# Altium PCB AIR_MOUNT23.PcbDoc (part 2 of 4) (continued)
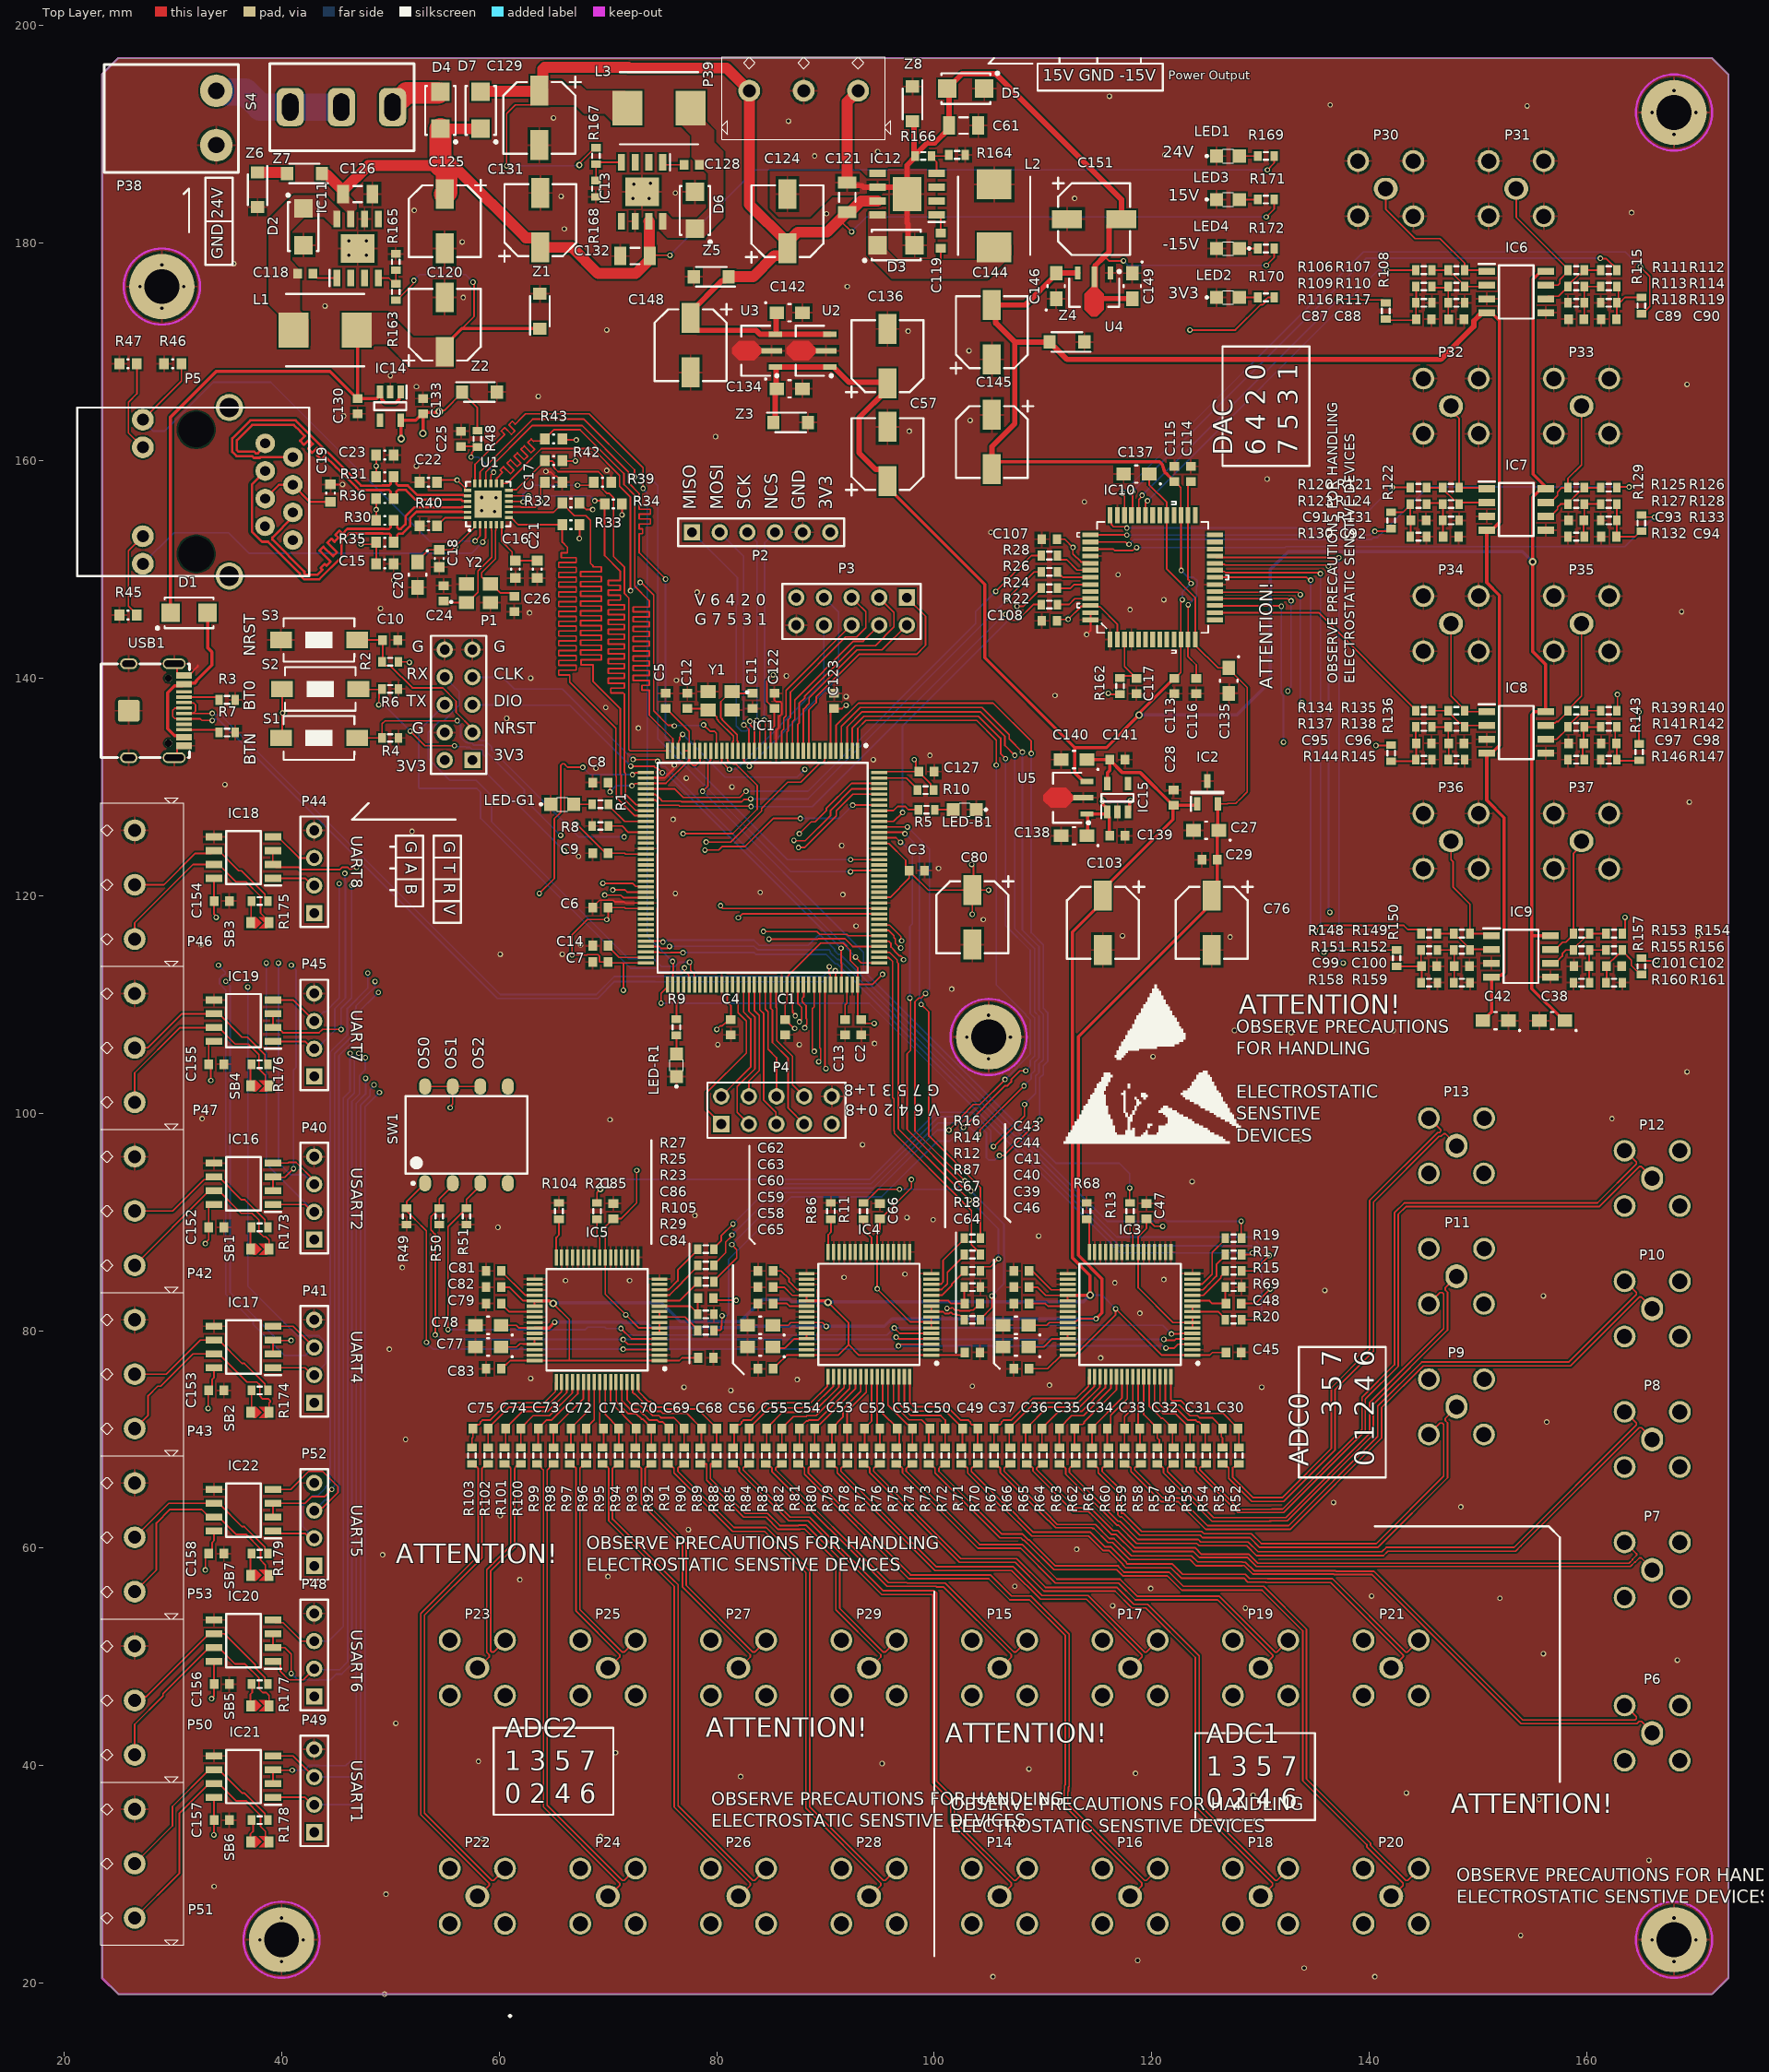
[diagram p0: Top Layer view]
## Nets (pads, with @x,y where several pads share a name; then routed paths per layer and width w, separated by ;. In a path a pad name is that pad's centre, name@x,y a point inside that pad or via, vN(x,y) a via of type N, cw(c..) or ccw(c..) an arc to the next point about the centre after c; other vN are vias at no path point) (continued)
  Bottom Layer w0.15: v1(81.5,89.8) 85.2,93.5 94.2,93.5 100.368,99.669 103.087,99.669 103.658,99.097 103.658,99.067 104.025,98.7 104.3,98.7 104.786,98.214 104.786,95.914 105,95.7 105.587,95.7 v1(105.987,96.1) ; v1(108.913,133.075) 108.913,116.584 110.025,115.472 110.025,109.647 110.425,109.247 110.425,104.753 110.025,104.353 110.025,103.568 109.7,103.243 v1(109.7,99.4)
ADC2_CVST_2: IC1.2 R29.1 | length 91.6
  Top Layer w0.15: R29.1@79.75,80 79.795,80.045 80.334,80.045 80.421,80.133 80.421,80.356 80.377,80.4 80.452,80.475 80.452,80.825 80.487,80.86 80.487,81.362 v1(80.5,81.375) ; IC1.2@92.465,133.307 92.465,135.431 93.534,136.5 104.066,136.5 106.1,134.466 106.1,133.045 v1(106.557,132.589) ; v1(102.683,98.693) 106.514,102.525 106.738,102.525 107.075,102.862 107.075,103.086 107.883,103.893 v1(108.406,103.893)
  Bottom Layer w0.15: v1(80.5,81.375) 80.513,81.388 80.975,81.388 81.1,81.513 81.1,86.555 86.845,92.3 95.166,92.3 100.283,97.417 101.406,97.417 v1(102.683,98.693) ; v1(106.557,132.589) 106.557,117.243 108.825,114.975 108.825,109.15 109.225,108.75 109.225,105.25 108.825,104.85 108.825,104.313 v1(108.406,103.893)
ADC_OS0_7: IC3.3 IC4.3 IC5.3 R49.1 SW1.1 | length 93.6
  Top Layer w0.15: SW1.1@53.19,93.55 51.5,91.86 R49.1@51.5,91.25 51.45,91.25 51.4,91.3 51.4,91.1 52.075,90.425 52.085,90.425 52.275,90.235 52.275,90.225 53.315,89.185 v1(53.315,78.92) ; v1(71.4,78.3) 71.425,78.275 74.35,78.275 74.4,78.225 74.713,78.225 IC5.3@74.738,78.25 ; 96.945,78.75 IC4.3@99.738,78.75 ; v1(121.3,78.4) 122.06,78.4 122.41,78.75 IC3.3@123.738,78.75
  Bottom Layer w0.15: v1(53.315,78.92) 53.935,78.3 v1(71.4,78.3) 96.4,78.3 v1(96.7,78.6) 96.7,78.566 96.712,78.553 96.759,78.6 121.005,78.6 121.205,78.4 v1(121.3,78.4)
ADC_OS1_7: IC3.4 IC4.4 IC5.4 R50.1 SW1.2 | length 91.9
  Top Layer w0.15: v1(54.131,79.619) 54.131,88.86 53.725,89.265 53.725,90.235 53.765,90.274 53.765,90.515 R50.1@54.5,91.25 54.5,92.12 55.73,93.35 SW1.2@55.73,93.55 ; v1(71.393,79.193) 71.837,78.75 IC5.4@74.738,78.75 ; v1(96.5,79.4) 96.595,79.4 96.745,79.25 IC4.4@99.738,79.25 IC4.4@99.75,79.25 ; v1(121.1,79.2) 121.195,79.2 121.27,79.125 122.11,79.125 122.235,79.25 IC3.4@123.738,79.25 ; IC4.4@99.75,79.25 99.775,79.25 99.8,79.225 99.775,79.225 IC4.4@99.75,79.25
  Bottom Layer w0.15: v1(54.131,79.619) 54.226,79.619 54.651,79.193 96.199,79.193 96.405,79.4 96.595,79.4 96.795,79.2 v1(121.1,79.2)
ADC_OS2_7: IC3.5 IC4.5 IC5.5 R51.1 SW1.3 | length 91.8
  Top Layer w0.15: v1(55.3,80.1) 55.3,89.55 R51.1@57,91.25 57,92.08 58.27,93.35 SW1.3@58.27,93.55 ; v1(71.2,80.2) 72.15,79.25 IC5.5@74.738,79.25 ; v1(96.325,80.25) 96.825,79.75 IC4.5@99.738,79.75 ; v1(121.8,79.7) 122.506,79.7 122.556,79.75 IC3.5@123.738,79.75
  Bottom Layer w0.15: v1(55.3,80.1) 67.921,80.1 68.146,80.325 69.728,80.325 69.853,80.2 v1(71.2,80.2) 71.8,79.6 95.675,79.6 v1(96.325,80.25) 108.595,80.25 108.835,80.49 121.01,80.49 v1(121.8,79.7)
BOOT0_2: IC1.138 R6.2 S2.1 | length 58
  Top Layer w0.15: S2.1@47.056,139 47.15,139 47.2,138.95 49.2,138.95 48.975,138.725 48.975,138.185 48.938,138.148 v1(48.938,137.546) ; v1(51.84,135.126) 53.191,133.775 v1(55.9,133.775) ; v1(78.919,124.192) 80.192,124.192 80.526,124.526 82.626,124.526 85.193,127.093 v1(87.686,127.093) ; v1(92.5,128.319) IC1.138@94.953,128.319
  Layer 2 w0.15: v1(66,124.1) 66.046,124.146 78.873,124.146 v1(78.919,124.192)
  Bottom Layer w0.15: v1(48.938,137.546) 49.42,137.546 v1(51.84,135.126) ; v1(55.9,133.775) 55.977,133.698 56.898,133.698 56.91,133.685 56.97,133.625 57.2,133.625 57.302,133.625 57.325,133.625 57.515,133.435 58.383,133.435 58.515,133.303 58.515,132.975 58.9,132.59 58.9,131.2 v1(66,124.1) ; v1(87.686,127.093) 91.274,127.093 v1(92.5,128.319)
BOOT1_2: IC1.48 R8.2 | length 3.7
  Top Layer w0.15: R8.2@70.05,126.4 71.313,126.4 71.894,125.819 IC1.48@73.477,125.819
BUSY_5: IC3.14 R19.2 | length 6
  Top Layer w0.15: IC3.14@123.738,84.25 123.763,84.275 124.61,84.275 125.543,85.207 125.543,87.193 126.75,88.4 R19.2@126.75,88.5
BUSY_6: IC4.14 R16.2 | length 6
  Top Layer w0.15: IC4.14@99.738,84.25 99.763,84.275 100.61,84.275 100.808,84.473 100.808,86.458 102.75,88.4 R16.2@102.75,88.5
BUSY_7: IC5.14 R27.2 | length 5.7
  Top Layer w0.15: IC5.14@74.738,83.75 74.763,83.775 75.61,83.775 76.425,84.59 76.425,85.575 78.25,87.4 R27.2@78.25,87.5
CONVST_5: IC3.9 IC3.10 R20.2 | length 3.9
  Top Layer w0.15: IC3.10@123.738,82.25 IC3.9@123.738,81.75 126.1,81.75 126.75,81.1 R20.2@126.75,81
CONVST_6: IC4.9 IC4.10 R18.2 | length 3.9
  Top Layer w0.15: IC4.10@99.738,82.25 IC4.9@99.738,81.75 100.805,81.75 100.977,81.578 101.371,81.578 101.446,81.653 101.582,81.653 101.734,81.5 102.066,81.5 102.141,81.425 102.325,81.425 102.375,81.375 102.475,81.375 102.75,81.1 R18.2@102.75,81
CONVST_7: IC5.9 IC5.10 R29.2 | length 4.6
  Top Layer w0.15: IC5.10@74.738,81.75 IC5.9@74.738,81.25 77.1,81.25 78.25,80.1 R29.2@78.25,80
EXT_IO0_2: IC1.10 P3.1 | length 22.4
  Top Layer w0.15: IC1.10@88.465,133.307 88.483,133.307 88.465,133.325 88.465,137.065 89.145,137.745 89.145,138.255 93.075,142.185 98.368,142.185 99.2,143.017 99.2,145.68 P3.1@97.48,147.4
EXT_IO1_2: IC1.11 P3.2 | length 16.8
  Top Layer w0.15: IC1.11@87.965,133.307 87.965,135.55 87.975,135.56 87.975,137.141 88.5,137.666 88.5,138.175 92.91,142.585 95.205,142.585 P3.2@97.48,144.86
EXT_IO2_2: IC1.12 P3.3 | length 19.4
  Top Layer w0.15: IC1.12@87.465,133.307 87.465,135.767 87.575,135.877 87.575,137.675 88.1,138.2 88.1,138.341 92.744,142.985 94.585,142.985 96.3,144.7 96.3,146.04 P3.3@94.94,147.4
EXT_IO3_2: IC1.13 P3.4 | length 15.4
  Top Layer w0.15: IC1.13@86.965,133.307 86.965,136 87.175,136.21 87.175,137.982 92.578,143.385 93.465,143.385 P3.4@94.94,144.86
EXT_IO4_2: IC1.14 P3.5 | length 18.4
  Top Layer w0.15: IC1.14@86.465,133.307 86.465,135.045 86.565,135.145 86.565,136.165 86.775,136.375 86.775,138.709 91.851,143.785 92.845,143.785 93.7,144.64 93.7,146.1 92.841,146.959 92.659,146.959 92.6,146.9 92.4,147.1 P3.5@92.4,147.4
EXT_IO5_2: IC1.15 P3.6 | length 14.2
  Top Layer w0.15: IC1.15@85.965,133.307 85.965,135.111 86.165,135.311 86.165,136.331 86.375,136.541 86.375,138.875 92.36,144.86 P3.6@92.4,144.86
EXT_IO6_2: IC1.22 P3.7 | length 21.1
  Top Layer w0.15: IC1.22@82.465,133.307 82.49,133.282 82.49,132.41 v1(83,131.9)
  Bottom Layer w0.15: v1(83,131.9) 83.1,131.9 83.1,132 91.2,140.1 91.2,146.06 P3.7@89.86,147.4
EXT_IO7_2: IC1.26 P3.8 | length 19.2
  Top Layer w0.15: IC1.26@80.465,133.307 80.465,132.33 v1(81.177,131.618)
  Bottom Layer w0.15: v1(81.177,131.618) 81.818,131.618 89.86,139.66 P3.8@89.86,144.86
EXT_IO8_2: IC1.86 P4.1 | length 15.2
  Top Layer w0.15: P4.1@80.42,99 79.1,100.32 79.1,101.9 82.725,105.525 82.725,108.485 81.965,109.245 IC1.86@81.965,111.831
EXT_IO9_2: IC1.87 P4.2 | length 11.7
  Top Layer w0.15: P4.2@80.42,101.54 83.125,104.245 83.125,108.65 82.475,109.3 82.475,111.821 IC1.87@82.465,111.831
EXT_IO10_2: IC1.88 P4.3 | length 14.2
  Top Layer w0.15: P4.3@82.96,99 81.885,100.075 81.885,102.439 83.525,104.079 83.525,108.816 82.965,109.376 IC1.88@82.965,111.831
EXT_IO11_2: IC1.89 P4.4 | length 10.9
  Top Layer w0.15: P4.4@82.96,101.54 82.96,102.949 83.925,103.914 83.925,108.982 83.465,109.442 IC1.89@83.465,111.831
EXT_IO12_2: IC1.90 P4.5 | length 13.5
  Top Layer w0.15: IC1.90@83.965,111.831 83.965,109.507 84.325,109.147 84.325,101.195 85.445,100.075 85.445,99.055 P4.5@85.5,99
EXT_IO13_2: IC1.91 P4.6 | length 10.7
  Top Layer w0.15: IC1.91@84.465,111.831 84.465,109.573 84.725,109.313 84.725,105.878 85.5,105.103 P4.6@85.5,101.54
EXT_IO14_2: IC1.92 P4.7 | length 14.1
  Top Layer w0.15: IC1.92@84.965,111.831 84.965,109.639 85.125,109.479 85.125,106.5 86.575,105.05 86.575,100.465 P4.7@88.04,99
EXT_IO15_2: IC1.93 P4.8 | length 11.4
  Top Layer w0.15: IC1.93@85.465,111.831 85.465,109.705 85.525,109.644 85.525,106.665 85.99,106.2 86,106.2 86.975,105.225 86.975,102.605 P4.8@88.04,101.54
GND: C1.1 C2.1 C3.1 C4.1 C5.1 C6.1 C7.1 C8.1 C9.1 C10.1 C11.2 C12.1 C13.1 C14.1 C15.1 C16.1 C17.1 C18.1 C19.1 C20.2 C21.2 C22.1 C23.1 C24.2 C25.1 C26.1 C27.2 C28.1 C29.1 C38.2 C39.2 C40.2 C41.1 C42.1 C43.1 C44.1 C45.1 C46.1 C47.1 C57.2 C58.2 C59.2 C60.1 C61.2 C62.1 C63.1 C64.1 C65.1 C66.1 C76.2 C77.2 C78.2 C79.1 C80.2 C81.1 C82.1 C83.1 C84.1 C85.1 C87.1 C88.1 C89.1 C90.1 C91.1 C92.1 C93.1 C94.1 C95.1 C96.1 C97.1 C98.1 C99.1 C100.1 C101.1 C102.1 C103.2 C107.1 C108.1 C113.1 C114.1 C115.2 C116.2 C117.1 C120.2 C122.1 C123.1 C125.2 C126.2 C127.1 C129.2 C130.1 C131.2 C132.2 C133.1 C134.2 C135.2 C136.2 C137.2 C138.2 C139.1 C140.2 C141.1 C142.2 C144.1 C145.1 C146.1 C148.2 C149.1 C151.1 C152.1 C153.1 C154.1 C155.1 C156.1 C157.1 C158.1 D2.1 D5.2 D6.1 IC1.16 IC1.31 IC1.38 IC1.51 IC1.61 IC1.83 IC1.94 IC1.107 IC1.120 IC1.130 IC2.3 IC3.2 IC3.16 IC3.17 IC3.18 IC3.19 IC3.20 IC3.21 IC3.22 IC3.26 IC3.27 IC3.28 IC3.29 IC3.30 IC3.31 IC3.33 IC3.34 IC3.35 IC3.40 IC3.41 IC3.43 IC3.46 IC3.47 IC4.2 IC4.16 IC4.17 IC4.18 IC4.19 IC4.20 IC4.21 IC4.22 IC4.26 IC4.27 IC4.28 IC4.29 IC4.30 IC4.31 IC4.33 IC4.34 IC4.35 IC4.40 IC4.41 IC4.43 IC4.46 IC4.47 IC5.2 IC5.16 IC5.17 IC5.18 IC5.19 IC5.20 IC5.21 IC5.22 IC5.26 IC5.27 IC5.28 IC5.29 IC5.30 IC5.31 IC5.33 IC5.34 IC5.35 IC5.40 IC5.41 IC5.43 IC5.46 IC5.47 IC6.3 IC6.5 IC7.3 IC7.5 IC8.3 IC8.5 IC9.3 IC9.5 IC10.1 IC10.4 IC10.19 IC10.38 IC10.43 IC10.51 IC10.52 IC11.6 IC11.9 IC13.6 IC13.9 IC14.2 IC15.2 IC16.5 IC17.5 IC18.5 IC19.5 IC20.5 IC21.5 IC22.5 L2.2 LED1.2 LED2.2 LED3.2 LED4.1 LED-B1.2 LED-G1.2 LED-R1.2 P1.4 P1.9 P1.10 P2.5 P3.10 P4.10 P30.2 P31.2 P32.2 P33.2 P34.2 P35.2 P36.2 P37.2 P38.1 P39.2 P40.4 P41.4 P42.1 P43.1 P44.4 P45.4 P46.1 P47.1 P48.4 P49.4 P50.1 P51.1 P52.4 P53.1 pad.15 R3.2 R4.2 R6.1 R7.2 R8.1 R39.2 R40.2 R45.2 R46.2 R47.2 R49.2 R50.2 R51.2 R68.1 R69.2 R86.1 R87.2 R104.1 R105.2 R116.1 R117.1 R118.1 R119.1 R130.1 R131.1 R132.1 R133.1 R144.1 R145.1 R146.1 R147.1 R158.1 R159.1 R160.1 R161.1 R164.2 R165.1 R168.1 S3.1 U1.25 U2.2 U3.2 U4.1 U5.2 USB1.13 USB1.14 USB1.15 USB1.16 USB1.A1B12 USB1.B1A12 Y1.2 Y1.4 Y2.2 Y2.4 Z1.2 Z2.2 Z3.2 Z4.1 Z5.2 Z6.2 Z8.1 | length 25.9
  Top Layer w0.15: USB1.14@30.133,132.68 30.398,132.945 30.398,133.555 30.623,133.78 USB1.B1A12@31.048,133.78 ; USB1.13@30.133,141.32 30.398,141.055 30.398,140.45 30.623,140.225 USB1.A1B12@31.048,140.225 31.473,140.225 32.3,141.053 32.3,141.2 ; C19.1@44.5,157.8 v1(45.6,157.8) ; v1(64.3,159) 64.367,158.933 64.762,158.933 65.12,158.575 65.275,158.575 65.8,158.05 C17.1@65.8,158 ; C6.1@68.6,118.9 68.6,118.95 69.225,119.575 70.493,119.575 70.649,119.419 71.5,119.419 71.6,119.319 IC1.61@73.477,119.319 ; IC1.38@73.477,130.819 73.477,130.9 74.297,130.9 74.374,130.822 75.194,130.822 76.033,131.661 76.033,131.933 v1(76.1,132) ; C122.1@85.3,138.6 85.3,137.975 85.441,137.834 85.834,137.834 85.975,137.693 85.975,136.707 85.7,136.432 85.7,135.412 85.465,135.176 IC1.16@85.465,133.307 ; v1(114,144) 114.364,144.364 IC10.52@114.364,145.353 IC10.51@114.364,146.013
  Layer 1 w0.5: 69.8,114.2 69.954,114.046 69.954,113.958
  Bottom Layer w0.15: USB1.13@30.133,141.32 30.38,141.32 USB1.13@30.5,141.2
  Bottom Layer w0.5: 63.6,172.2 63.7,172.2
  other v1: 49.465,19 105.4,20.6 140.5,20.6 134,21.4 40,22 168,22 118.7,22.1 38,24 42,24 166,24 170,24 153.9,24.4 40,26 168,26 49.6,28.2 33.8,28.9 165.7,31.3 58.5,33.3 69.3,33.5 155.6,36.9 129.3,37.3 143.4,37.5 82.2,39 118.5,39.3 108.7,39.7 95.2,40.2 58.1,40.4 70.7,41.2 50.5,43.9 168.3,49.7 156,50.3 128.6,54.5 116.4,54.7 152,55.4 140.2,55.6 119.9,56.3 107.4,56.5 61.9,57.1 70,57.4 49.3,59.4 113.1,59.9 77.4,61.7 60.1,63 148.4,63.8 102,64 136.7,64.2 51.4,70 156.3,71.6 81.3,74.5 77,74.8 130.1,74.8 103.5,74.9 110.6,75 87.4,75.5 62.9,75.6 115.3,77.5 49.9,78.3 118.9,81.6 156,83.2 135.9,83.7 116.6,84.4 66.1,84.6 72,84.6 121.1,84.7 91.7,84.9 97.3,85.2 51.1,85.8 56.7,87.3 109.6,88.7 59.9,89.5 99.9,90.2 97.5,90.4 78,90.6 109.3,91.2 123.7,93.7 93.4,97.1 133.6,97.5 70.2,99.4 32.7,99.5 162.3,99.5 169.2,103.8 105,105 120.1,105.2 80.1,106.3 87.6,106.3 94.5,106.4 103,107 107,107 132.8,107.4 127.6,107.6 142.2,107.6 105,109 101.6,111.4 60.1,114.6 65.8,114.6 32.6,115.5 67.5,115.5 127.2,116.2 117.3,116.3 170.2,116.3 92.8,117.2 104.5,117.8 91.6,120.1 76.2,120.2 84,120.3 100.4,122.5 67.3,123.6 91.5,124.6 52,125.9 76,127 169.4,128.6 81.4,130 34.8,130.2 77.2,130.8 68.9,131.7 94.4,132.5 99.6,132.9 72.8,135.4 60.7,136.3 69.8,137.3 91.9,138.3 111.1,138.4 76.3,139.8 62.9,140 86.4,140.2 62.8,146 168.7,146.1 118,146.3 49.1,146.4 121.1,147.2 78.2,147.9 50.3,149 116.9,149.5 105.2,153.4 59.6,155.3 113.8,156.2 59.7,156.6 130.6,158.3 69.9,159.1 52.4,159.5 79.9,162.2 97.7,162.7 103.3,163.7 45.7,164.1 63.6,165.9 52.4,166.8 169.2,167 50,167.8 103.2,170.1 97.6,171.9 69.9,172 29,174 44,174.2 56.7,175 27,176 31,176 92,176 29,178 35.6,178.1 46.2,178.9 47.8,178.9 56.6,180.1 46.2,180.2 47.8,180.2 66,181.3 90.1,182.7 164.1,182.8 52.2,183 72.3,184.1 73.8,184.1 112.9,184.1 65.7,184.3 76.2,184.6 72.4,185.4 73.9,185.5 89,188 121.2,188.1 94.8,188.4 168,190 86.6,191.2 65,191.5 166,192 170,192 154.5,192.6 136.4,192.7 116.1,193.5 168,194
  other v4: 58.4,155.4 58.4,156.6
NetC13_2: C13.2 IC1.106 | length 3.3
  Top Layer w0.15: C13.2@91.8,108.6 91.8,109.964 91.965,110.129 IC1.106@91.965,111.831
NetC14_2: C14.2 IC1.71 | length 4
  Top Layer w0.15: C14.2@70,115.4 70,115.35 71.031,114.319 IC1.71@73.477,114.319
NetC16_2: C16.2 C21.1 U1.6 | length 5.8
  Top Layer w0.15: U1.6@60.25,154.1 60.25,152.55 61.2,151.6 61.2,151.1 C16.2@61.5,150.8 C21.1@63.5,150.8
NetC30_1: C30.1 IC3.63 R53.2 | length 10.5
  Top Layer w0.15: IC3.63@121.25,75.762 121.25,73.267 121.367,73.15 122.531,73.15 123.506,72.175 124.2,72.175 124.375,72 125.55,72 126.5,71.05 126.4,70.95 126.4,70.225 126.5,70.125 R53.2@126.5,69.25
NetC30_2: C30.2 IC3.64 R52.2 | length 11.2
  Top Layer w0.15: IC3.64@121.75,75.762 121.75,73.667 121.867,73.55 122.697,73.55 123.672,72.575 124.366,72.575 124.541,72.4 126.55,72.4 C30.2@127.9,71.05 ; C30.2@127.9,71 C30.2@127.9,71.05 ; R52.2@128,69.25 128,70.95 127.925,71.025 C30.2@127.9,71.05
NetC31_1: C31.1 IC3.61 R55.2 | length 8.5
  Top Layer w0.15: IC3.61@120.25,75.762 120.25,73.136 121.036,72.35 122.2,72.35 123.5,71.05 C31.1@123.5,71 R55.2@123.5,69.25
NetC31_2: C31.2 IC3.62 R54.2 | length 9.4
  Top Layer w0.15: IC3.62@120.75,75.762 120.75,73.201 121.201,72.75 122.366,72.75 123.341,71.775 124.035,71.775 124.21,71.6 124.35,71.6 124.9,71.05 C31.2@124.9,71 124.9,69.35 R54.2@125,69.25
NetC32_1: C32.1 IC3.59 R57.2 | length 7.2
  Top Layer w0.15: IC3.59@119.25,75.762 119.25,72.3 120.5,71.05 C32.1@120.5,71 120.5,70.125 120.7,69.925 120.7,69.45 R57.2@120.5,69.25
NetC32_2: C32.2 IC3.60 R56.2 | length 7.5
  Top Layer w0.15: IC3.60@119.75,75.762 119.75,73.07 120.87,71.95 121,71.95 121.9,71.05 C32.2@121.9,71 121.9,69.35 R56.2@122,69.25
NetC33_1: C33.1 IC3.57 R59.2 | length 6.8
  Top Layer w0.15: R59.2@117.5,69.25 C33.1@117.5,71 117.5,72.1 118.25,72.85 IC3.57@118.25,75.762
NetC33_2: C33.2 IC3.58 R58.2 | length 6.6
  Top Layer w0.15: IC3.58@118.75,75.762 118.75,71.15 C33.2@118.9,71 118.9,69.35 R58.2@119,69.25
NetC34_1: C34.1 IC3.55 R61.2 | length 7.7
  Top Layer w0.15: R61.2@114.5,69.25 C34.1@114.5,71 114.5,71.05 117.25,73.8 IC3.55@117.25,75.762
NetC34_2: C34.2 IC3.56 R60.2 | length 7.3
  Top Layer w0.15: R60.2@116,69.25 115.9,69.35 C34.2@115.9,71 116.225,71.325 116.225,72.209 117.75,73.734 IC3.56@117.75,75.762
NetC35_1: C35.1 IC3.53 R63.2 | length 9.1
  Top Layer w0.15: R63.2@111.5,69.25 C35.1@111.5,71 111.5,71.05 112.625,72.175 113.707,72.175 116.232,74.699 116.232,75.744 IC3.53@116.25,75.762
NetC35_2: C35.2 IC3.54 R62.2 | length 8.4
  Top Layer w0.15: R62.2@113,69.25 112.9,69.35 C35.2@112.9,71 112.9,71.05 113.225,71.375 113.658,71.375 113.775,71.492 113.775,71.585 116.75,74.56 IC3.54@116.75,75.762
NetC36_1: C36.1 IC3.51 R65.2 | length 11.1
  Top Layer w0.15: R65.2@108.5,69.25 108.4,69.35 108.4,70.95 110.425,72.975 113.376,72.975 115.225,74.824 115.225,75.737 IC3.51@115.25,75.762
NetC36_2: C36.2 IC3.52 R64.2 | length 10.2
  Top Layer w0.15: R64.2@110,69.25 109.9,69.35 C36.2@109.9,71 109.9,71.05 111.425,72.575 113.541,72.575 115.725,74.759 115.725,75.737 IC3.52@115.75,75.762
NetC37_1: C37.1 IC3.49 R67.2 | length 13
  Top Layer w0.15: R67.2@105.5,69.25 C37.1@105.5,71 105.5,71.027 105.825,71.352 106.058,71.352 106.175,71.469 106.175,71.585 106.365,71.775 107.059,71.775 109.059,73.775 113.044,73.775 114.175,74.906 114.175,75.687 IC3.49@114.25,75.762
NetC37_2: C37.2 IC3.50 R66.2 | length 12.1
  Top Layer w0.15: R66.2@107,69.25 106.9,69.35 C37.2@106.9,71 106.9,71.05 109.225,73.375 113.21,73.375 114.725,74.89 114.725,75.737 IC3.50@114.75,75.762
NetC39_1: C39.1 IC3.44 IC3.45 | length 4.4
  Top Layer w0.15: C39.1@108.675,78.5 110.075,78.5 110.825,79.25 IC3.45@112.262,79.25 IC3.44@112.262,79.75
NetC41_2: C41.2 IC3.39 | length 3.7
  Top Layer w0.15: C41.2@108.7,82.5 110.2,82.5 110.45,82.25 IC3.39@112.262,82.25
NetC43_2: C43.2 IC3.36 | length 4.3
  Top Layer w0.15: C43.2@108.7,85.5 108.8,85.4 109.1,85.4 110.75,83.75 IC3.36@112.262,83.75
NetC49_1: C49.1 IC4.63 R71.2 | length 10.6
  Top Layer w0.15: IC4.63@97.25,75.762 97.25,73.357 98.007,72.6 101.05,72.6 102.6,71.05 C49.1@102.6,71 102.6,69.35 R71.2@102.5,69.25
NetC49_2: C49.2 IC4.64 R70.2 | length 11.4
  Top Layer w0.15: IC4.64@97.75,75.762 97.75,73.422 98.172,73 101.216,73 102.441,71.775 103.135,71.775 103.325,71.585 103.325,71.469 103.442,71.352 103.675,71.352 104,71.027 C49.2@104,71 R70.2@104,69.25
NetC50_1: C50.1 IC4.61 R73.2 | length 8.6
  Top Layer w0.15: IC4.61@96.25,75.762 96.25,75.65 96.275,75.625 96.275,75.6 96.25,75.575 96.25,73.225 97.675,71.8 98.85,71.8 99.6,71.05 C50.1@99.6,71 99.5,70.9 R73.2@99.5,69.25
NetC50_2: C50.2 IC4.62 R72.2 | length 9.9
  Top Layer w0.15: IC4.62@96.75,75.762 96.75,73.291 97.841,72.2 100.6,72.2 101.025,71.775 101.025,71.025 C50.2@101,71 R72.2@101,69.25
NetC51_1: C51.1 IC4.59 R75.2 | length 7.5
  Top Layer w0.15: IC4.59@95.25,75.762 95.25,72.4 96.575,71.075 96.775,71.075 C51.1@96.8,71.1 ; R75.2@96.5,69.25 96.775,69.525 96.775,71 C51.1@96.6,71
NetC51_2: C51.2 IC4.60 R74.2 | length 7.5
  Top Layer w0.15: IC4.60@95.75,75.762 95.75,73.16 97.535,71.375 97.675,71.375 98,71.05 C51.2@98,71 R74.2@98,69.25
NetC52_1: C52.1 IC4.57 R77.2 | length 6.8
  Top Layer w0.15: R77.2@93.5,69.25 93.6,69.35 C52.1@93.6,71 93.6,71.05 94.25,71.7 IC4.57@94.25,75.762
NetC52_2: C52.2 IC4.58 R76.2 | length 6.6
  Top Layer w0.15: IC4.58@94.75,75.762 94.75,75.65 94.775,75.625 94.775,75.6 94.75,75.575 94.75,71.25 C52.2@95,71 R76.2@95,69.25
NetC53_1: C53.1 IC4.55 R79.2 | length 7.7
  Top Layer w0.15: R79.2@90.5,69.25 90.6,69.35 C53.1@90.6,71 90.6,71.05 91.6,72.05 91.6,72.766 93.25,74.416 IC4.55@93.25,75.762
NetC53_2: C53.2 IC4.56 R78.2 | length 7.2
  Top Layer w0.15: R78.2@92,69.25 C53.2@92,71 92,72.6 93.75,74.35 IC4.56@93.75,75.762
NetC54_1: C54.1 IC4.53 R81.2 | length 9.1
  Top Layer w0.15: R81.2@87.5,69.25 87.6,69.35 C54.1@87.6,71 87.6,71.05 88.25,71.7 88.39,71.7 88.465,71.775 89.307,71.775 92.232,74.699 92.232,75.744 IC4.53@92.25,75.762
NetC54_2: C54.2 IC4.54 R80.2 | length 8.2
  Top Layer w0.15: R80.2@89,69.25 C54.2@89,71 89,71.05 89.325,71.375 89.473,71.375 92.75,74.652 92.75,75.575 92.725,75.6 92.725,75.625 92.75,75.65 IC4.54@92.75,75.762
NetC55_1: C55.1 IC4.51 R83.2 | length 11
  Top Layer w0.15: R83.2@84.5,69.25 84.6,69.35 C55.1@84.6,71 84.6,71.05 86.05,72.5 88.059,72.5 88.134,72.575 88.976,72.575 91.225,74.824 91.225,75.737 IC4.51@91.25,75.762
NetC55_2: C55.2 IC4.52 R82.2 | length 10.1
  Top Layer w0.15: R82.2@86,69.25 C55.2@86,71 86,71.05 87.05,72.1 88.225,72.1 88.3,72.175 89.141,72.175 91.725,74.759 91.725,75.737 IC4.52@91.75,75.762
NetC56_1: C56.1 IC4.49 R85.2 | length 13
  Top Layer w0.15: R85.2@81.5,69.25 81.6,69.35 C56.1@81.6,71 81.6,71.027 81.925,71.352 82.158,71.352 82.275,71.469 82.275,71.585 82.465,71.775 83.159,71.775 84.759,73.375 88.644,73.375 90.175,74.906 90.175,75.687 IC4.49@90.25,75.762
NetC56_2: C56.2 IC4.50 R84.2 | length 12
  Top Layer w0.15: R84.2@83,69.25 C56.2@83,71 83,71.05 84.85,72.9 87.893,72.9 87.968,72.975 88.81,72.975 90.725,74.89 90.725,75.737 IC4.50@90.75,75.762
NetC58_1: C58.1 IC4.44 IC4.45 | length 4
  Top Layer w0.15: C58.1@85.175,78.5 85.3,78.5 85.4,78.4 86.275,78.4 87.125,79.25 IC4.45@88.262,79.25 IC4.44@88.262,79.75
NetC60_2: C60.2 IC4.39 | length 3.2
  Top Layer w0.15: C60.2@85.2,82.5 86.45,82.5 86.7,82.25 IC4.39@88.262,82.25
NetC62_2: C62.2 IC4.36 | length 3.9
  Top Layer w0.15: C62.2@85.2,85.5 85.925,85.5 86.657,84.768 86.657,84.507 87.39,83.775 88.237,83.775 IC4.36@88.262,83.75
NetC68_1: C68.1 IC5.63 R89.2 | length 10.5
  Top Layer w0.15: IC5.63@72.25,75.262 72.275,75.237 72.275,74.317 72.392,74.2 72.465,74.2 73.594,73.071 73.788,73.071 74.284,72.575 74.866,72.575 75.041,72.4 77.25,72.4 78.6,71.05 C68.1@78.6,71 78.6,69.35 R89.2@78.5,69.25
NetC68_2: C68.2 IC5.64 R88.2 | length 11.3
  Top Layer w0.15: IC5.64@72.75,75.262 72.825,75.187 72.825,74.406 73.759,73.471 73.953,73.471 74.45,72.975 75.032,72.975 75.207,72.8 78.25,72.8 80,71.05 C68.2@80,71 R88.2@80,69.25
NetC69_1: C69.1 IC5.61 R91.2 | length 8.9
  Top Layer w0.15: IC5.61@71.25,75.262 71.275,75.237 71.275,73.525 72.033,72.767 72.766,72.767 73.262,72.271 73.345,72.271 73.841,71.775 74.535,71.775 74.71,71.6 75.05,71.6 75.6,71.05 C69.1@75.6,71 75.6,69.35 R91.2@75.5,69.25
NetC69_2: C69.2 IC5.62 R90.2 | length 9.7
  Top Layer w0.15: IC5.62@71.75,75.262 71.775,75.237 71.775,73.625 72.233,73.167 72.932,73.167 73.428,72.671 73.622,72.671 74.118,72.175 74.7,72.175 74.875,72 76.05,72 77,71.05 C69.2@77,71 R90.2@77,69.25
NetC70_1: C70.1 IC5.59 R93.2 | length 7
  Top Layer w0.15: IC5.59@70.25,75.262 70.25,74.925 70.275,74.9 70.25,74.875 70.25,73.4 72.6,71.05 C70.1@72.6,71 72.6,69.35 R93.2@72.5,69.25
NetC70_2: C70.2 IC5.60 R92.2 | length 7.8
  Top Layer w0.15: IC5.60@70.75,75.262 70.768,75.255 70.768,73.466 71.867,72.367 72.601,72.367 73.097,71.871 73.179,71.871 74,71.05 C70.2@74,71 R92.2@74,69.25
NetC71_1: C71.1 IC5.57 R95.2 | length 6.2
  Top Layer w0.15: IC5.57@69.25,75.262 69.25,71.4 69.6,71.05 C71.1@69.6,71 69.6,69.35 R95.2@69.5,69.25
NetC71_2: C71.2 IC5.58 R94.2 | length 6.5
  Top Layer w0.15: IC5.58@69.75,75.262 69.75,72.3 71,71.05 C71.2@71,71 R94.2@71,69.25
NetC72_1: C72.1 IC5.55 R97.2 | length 6.7
  Top Layer w0.15: R97.2@66.5,69.25 66.6,69.35 C72.1@66.6,71 66.6,71.05 68.25,72.7 IC5.55@68.25,75.262
NetC72_2: C72.2 IC5.56 R96.2 | length 6.3
  Top Layer w0.15: R96.2@68,69.25 C72.2@68,71 68,71.05 68.75,71.8 IC5.56@68.75,75.262
NetC73_1: C73.1 IC5.53 R99.2 | length 7.8
  Top Layer w0.15: R99.2@63.5,69.25 63.6,69.35 C73.1@63.6,71 63.6,71.05 64.325,71.775 64.807,71.775 67.232,74.2 67.232,75.244 IC5.53@67.25,75.262
NetC73_2: C73.2 IC5.54 R98.2 | length 7.2
  Top Layer w0.15: R98.2@65,69.25 C73.2@65,71 65,71.05 65.325,71.375 65.375,71.375 67.75,73.75 IC5.54@67.75,75.262
NetC74_1: C74.1 IC5.51 R101.2 | length 9.8
  Top Layer w0.15: R101.2@60.5,69.25 60.6,69.35 C74.1@60.6,71 60.6,71.05 62.125,72.575 64.476,72.575 66.225,74.324 66.225,75.237 IC5.51@66.25,75.262
NetC74_2: C74.2 IC5.52 R100.2 | length 8.9
  Top Layer w0.15: R100.2@62,69.25 C74.2@62,71 62,71.05 63.125,72.175 64.642,72.175 66.725,74.258 66.725,75.237 IC5.52@66.75,75.262
NetC75_1: C75.1 IC5.49 R103.2 | length 11.7
  Top Layer w0.15: R103.2@57.5,69.25 57.5,70.1 57.6,70.2 C75.1@57.6,71 57.6,71.027 57.925,71.352 58.158,71.352 58.275,71.469 58.275,71.585 58.465,71.775 59.159,71.775 60.759,73.375 64.144,73.375 65.175,74.406 65.175,75.187 IC5.49@65.25,75.262
NetC75_2: C75.2 IC5.50 R102.2 | length 10.8
  Top Layer w0.15: R102.2@59,69.25 C75.2@59,71 59,71.05 60.925,72.975 64.31,72.975 65.725,74.39 65.725,75.237 IC5.50@65.75,75.262
NetC77_1: C77.1 IC5.44 IC5.45 | length 3.7
  Top Layer w0.15: C77.1@60.175,78.5 61.6,78.5 61.9,78.8 62.175,78.8 62.199,78.775 63.237,78.775 IC5.45@63.262,78.75 IC5.44@63.262,79.25
NetC79_2: C79.2 IC5.39 | length 3.4
  Top Layer w0.15: C79.2@60.2,82.5 60.2,82.45 60.9,81.75 IC5.39@63.262,81.75
NetC81_2: C81.2 IC5.36 | length 4
  Top Layer w0.15: C81.2@60.2,85.5 60.2,85.45 62.375,83.275 62.8,83.275 62.825,83.25 IC5.36@63.262,83.25
NetC87_2: C87.2 R108.2 R109.1 R116.2 | length 6
  Top Layer w0.15: R108.2@141.5,173 141.6,173 141.7,172.9 144.2,172.9 C87.2@144.3,173 144.275,173.025 R116.2@144.275,174.525 ; R116.2@144.25,174.5 R116.2@144.275,174.525 ; R109.1@144.25,176 144.3,176 144.3,174.55 R116.2@144.275,174.525
NetC88_2: C88.2 R109.2 R110.1 R117.2 | length 4.6
  Top Layer w0.15: R109.2@145.75,176 145.8,176 145.9,175.9 147.15,175.9 R110.1@147.25,176 R117.2@147.25,174.5 147.25,173.05 C88.2@147.3,173
NetC89_2: C89.2 R113.1 R114.2 R118.2 | length 4.5
  Top Layer w0.15: C89.2@159.7,173 159.75,173.05 R118.2@159.75,174.5 R113.1@159.75,176 R114.2@161.25,176
NetC90_2: C90.2 R114.1 R115.2 R119.2 | length 5.5
  Top Layer w0.15: C90.2@162.7,173 162.75,173.05 R119.2@162.75,174.5 R119.2@162.85,174.6 ; R114.1@162.75,176 162.9,175.85 162.9,174.65 R119.2@162.85,174.6 ; R115.2@165,175 163.5,175 163.1,174.6 R119.2@162.85,174.6
NetC91_2: C91.2 R122.2 R123.1 R130.2 | length 5.1
  Top Layer w0.15: R122.2@142,155.25 143.1,155.25 R123.1@143.75,155.9 ; R130.2@143.75,153 143.8,153.05 C91.2@143.8,154.5 143.75,154.55 R123.1@143.75,155.9 ; R123.1@143.75,156 R123.1@143.75,155.9
NetC92_2: C92.2 R123.2 R124.1 R131.2 | length 4.6
  Top Layer w0.15: R123.2@145.25,156 145.35,156.1 146.65,156.1 R124.1@146.75,156 R131.2@146.75,154.5 146.75,153.05 C92.2@146.8,153
NetC93_2: C93.2 R127.1 R128.2 R132.2 | length 4.5
  Top Layer w0.15: R132.2@159.75,153 159.7,153.05 C93.2@159.7,154.5 159.75,154.55 R127.1@159.75,156 R128.2@161.25,156
NetC94_2: C94.2 R128.1 R129.2 R133.2 | length 5.5
  Top Layer w0.15: R128.1@162.75,156 R133.2@162.75,154.5 162.75,153.05 C94.2@162.7,153 164.4,153 164.9,153.5 R129.2@165,153.5
NetC95_2: C95.2 R136.2 R137.1 R144.2 | length 5.4
  Top Layer w0.15: R136.2@142,132.35 144.1,132.35 R144.2@144.25,132.5 144.3,132.55 C95.2@144.3,134 144.25,134.05 R137.1@144.25,135.5
NetC96_2: C96.2 R137.2 R138.1 R145.2 | length 4.5
  Top Layer w0.15: R137.2@145.75,135.5 R138.1@147.25,135.5 147.25,134.05 C96.2@147.3,134 147.3,132.55 R145.2@147.25,132.5
NetC97_2: C97.2 R141.1 R142.2 R146.2 | length 4.6
  Top Layer w0.15: R146.2@159.75,132.5 159.6,132.65 159.6,133.8 159.7,133.9 C97.2@159.7,134 159.7,135.45 R141.1@159.75,135.5 R142.2@161.25,135.5